# KiCad board mainboard.kicad_pcb (continued)
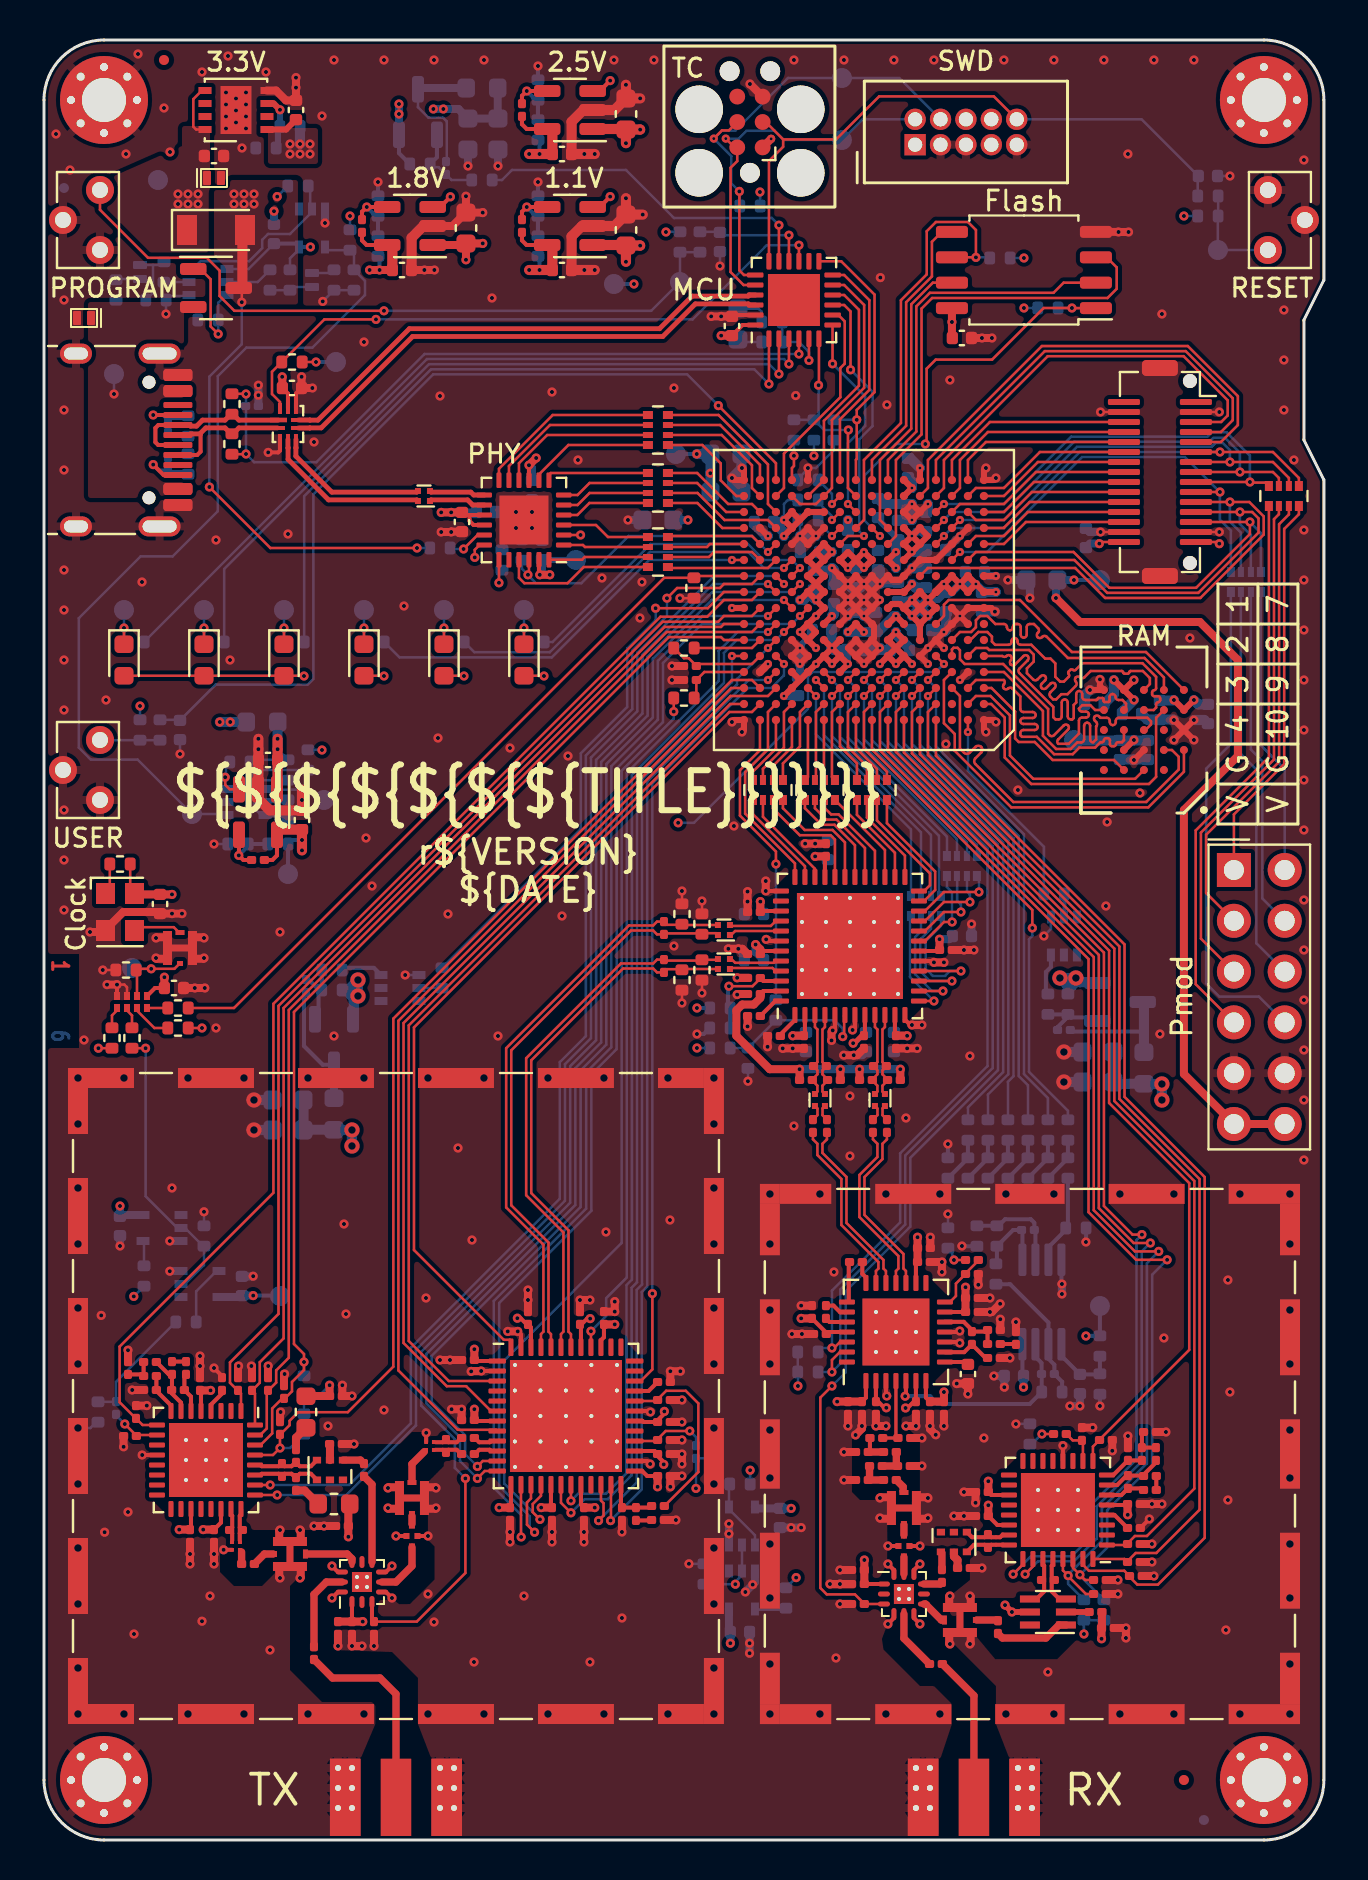
[diagram p0: board, top side]
## Placement (name value [footprint] x y rotation side) (continued)
R110  1k  [R_0402_1005Metric]  32 57.1 0 top
R111  10k  [R_0402_1005Metric]  32 59.6 180 top
R112  820  [R_0201_0603Metric]  39.5 38 0 top
R113  820  [R_0201_0603Metric]  38.1 38 180 top
R114  33k  [R_0402_1005Metric]  18.8 83.8 0 bottom
R115  DNP  [R_0402_1005Metric]  4.1 43.5 180 top
R116  5.1k  [R_0402_1005Metric]  21.9 83 0 bottom
R117  15k±1%  [R_0402_1005Metric]  9.7 49.8 180 bottom
R118  10k  [R_0402_1005Metric]  9.8 53.9 180 bottom
R119  0  [R_0402_1005Metric]  36.6 41.5 90 bottom
R120  91k±1%  [R_0402_1005Metric]  24.7 85.51 90 bottom
R121  43k±1%  [R_0402_1005Metric]  24.7 87.5 90 bottom
R122  18.7k±1%  [R_0402_1005Metric]  16.7 79.7 90 bottom
R123  15k±1%  [R_0402_1005Metric]  16.7 81.7 90 bottom
R124  18.7k±1%  [R_0402_1005Metric]  24.7 79.7 90 bottom
R125  43k±1%  [R_0402_1005Metric]  24.7 81.7 90 bottom
R126  2.2k  [R_0402_1005Metric]  13.2 54 90 bottom
R127  DNP  [R_0402_1005Metric]  8 30.2 90 bottom
R130  DNP  [R_0402_1005Metric]  33 13.3 90 bottom
R131  DNP  [R_0402_1005Metric]  32.5 62.6 270 top
R132  DNP  [R_0402_1005Metric]  45.2 30.1 90 bottom
R133  DNP  [R_0402_1005Metric]  49.3 20.3 90 bottom
R134  DNP  [R_0402_1005Metric]  2.7 21.4 270 bottom
R135  DNP  [R_0402_1005Metric]  33.5 19.3 90 bottom
RN1  33  [R_Array_Convex_4x0402]  30.7 67.6 180 top
RN2  33  [R_Array_Convex_4x0402]  30.7 70.5 180 top
RN3  33  [R_Array_Convex_4x0402]  30.7 64.4 180 top
RN4  33  [R_Array_Convex_4x0402]  62 67.2 270 top
RN5  33  [R_Array_Convex_4x0402]  60.1 62.9 270 bottom
RN6  33  [R_Array_Convex_4x0402]  44.1 46.7 270 bottom
RN7  33  [R_Array_Convex_4x0402]  45.9 48.7 270 bottom
RN8  33  [R_Array_Convex_4x0402]  41.4 52.5 270 top
RN9  33  [R_Array_Convex_4x0402]  38.8 52.5 270 top
RN10  33  [R_Array_Convex_4x0402]  36.2 52.5 270 top
SW1  BTN_PROGRAM  [SW_Tactile_SPST_Angled_TC-1109DE-B-F]  2.8 82.5 90 top
SW2  BTN_RESET  [SW_Tactile_SPST_Angled_TC-1109DE-B-F]  61.2 79.5 270 top
SW3  BTN_USER  [SW_Tactile_SPST_Angled_TC-1109DE-B-F]  2.8 55 90 top
T1  RF_BALUN  [Anaren_0805_2012Metric-6]  45.5 14.9 90 top
T2  RXIF_BALUN  [Balun_Johanson_0896BM15A0001]  50.2 11.4 180 top
T3  TXIF_BALUN  [Balun_TDK_TFSZ06052460-3310A2X]  19.3 19.7 0 top
T4  TXIF_BALUN  [Balun_TDK_TFSZ06052460-3310A2X]  9.6 14.7 90 top
T5  RF_BALUN  [Anaren_0805_2012Metric-6]  14.3 18.5 270 top
TP1  TestPoint  [TestPoint_Pad_D1.0mm]  58.7 79.5 0 bottom
TP2  TestPoint  [TestPoint_Pad_D1.0mm]  39.9 88.1 0 bottom
TP3  TestPoint  [TestPoint_Pad_D1.0mm]  39.9 85 0 bottom
TP4  TestPoint  [TestPoint_Pad_D1.0mm]  3.5 73.3 0 bottom
TP5  TestPoint  [TestPoint_Pad_D1.0mm]  5.7 83 180 bottom
TP6  TestPoint  [TestPoint_Pad_D1.0mm]  52.8 63 180 bottom
TP7  TestPoint  [TestPoint_Pad_D1.0mm]  14 52 180 bottom
TP8  TestPoint  [TestPoint_Pad_D1.0mm]  14.6 73.9 0 bottom
TP9  TestPoint  [TestPoint_Pad_D1.0mm]  31.6 69.3 0 bottom
TP10  TestPoint  [TestPoint_Pad_D1.0mm]  28.5 77.8 180 bottom
TP11  TestPoint  [TestPoint_Pad_D1.0mm]  51.5 55 180 bottom
TP12  TestPoint  [TestPoint_Pad_D1.0mm]  26.6 64 0 bottom
TP13  TestPoint  [TestPoint_Pad_D1.0mm]  52.8 26.7 180 bottom
TP14  TestPoint  [TestPoint_Pad_D1.0mm]  4 61.5 180 bottom
TP15  TestPoint  [TestPoint_Pad_D1.0mm]  8 61.5 180 bottom
TP16  TestPoint  [TestPoint_Pad_D1.0mm]  12 61.5 180 bottom
TP17  TestPoint  [TestPoint_Pad_D1.0mm]  16 61.5 180 bottom
TP18  TestPoint  [TestPoint_Pad_D1.0mm]  20 61.5 180 bottom
TP19  TestPoint  [TestPoint_Pad_D1.0mm]  24 61.5 180 bottom
TP20  TestPoint  [TestPoint_Pad_D1.0mm]  31.8 77.9 180 bottom
TP21  TestPoint  [TestPoint_Pad_D1.0mm]  12.2 48.3 90 bottom
TP22  TestPoint  [TestPoint_Pad_D1.0mm]  11.8 27.2 180 bottom
TP34  TestPoint  [TestPoint_Pad_D1.0mm]  4.4 43.6 0 bottom
TP35  TestPoint  [TestPoint_Pad_D1.0mm]  7.4 51.3 180 bottom
U1  ECP5-BGA256  [lattice_cabga256]  41 62 180 top
U2  ATSAMD11  [QFN-24-1EP_4x4mm_P0.5mm_EP2.6x2.6mm]  37.5 77 90 top
U3  PI3USB102G  [Diodes_10-TQFN_ZL]  12.2 70.8 0 top
U4  3V3REG  [DFN-8-1EP_3x3mm_P0.65mm_EP1.55x2.4mm]  9.6 86.5 180 top
U5  LDO-ADJ  [SOT-23-5]  26.3 80.7 180 top
U6  LDO-ADJ  [SOT-23-5]  26.3 86.5 180 top
U7  LDO-ADJ  [SOT-23-5]  18.3 80.7 180 top
U8  HyperRAM  [BGA-24_5x5_6.0x8.0mm]  55 55.5 180 top
U9  USB3343-CP  [VQFN-24-1EP_4x4mm_P0.5mm_EP2.45x2.45mm]  24 66 180 top
U10  W25Q16  [SOIC-8_5.23x5.23mm_P1.27mm]  49 78.5 180 top
U11  MAX5865  [QFN-48-1EP_7x7mm_P0.5mm_EP5.3x5.3mm_ThermalVias]  40.3 44.7 90 top
U12  MAX2831  [QFN-48-1EP_7x7mm_P0.5mm_EP5.6x5.6mm_ThermalVias]  26.1 21.2 0 top
U13  RFFC5072  [QFN-32-1EP_5x5mm_P0.5mm_EP3.7x3.7mm_ThermalVias]  8.1 19 270 top
U14  MAX2120  [QFN-28-1EP_5x5mm_P0.5mm_EP3.35x3.35mm_ThermalVias]  42.6 25.4 90 top
U15  LMV358  [MSOP-8_3x3mm_P0.65mm]  49.9 26.9 270 bottom
U16  DPDT  [QFN-12-1EP_2x2mm_P0.5mm_EP1x1mm_ThermalVias]  43 12.3 0 top
U17  DPDT  [QFN-12-1EP_2x2mm_P0.5mm_EP1x1mm_ThermalVias]  15.9 12.9 90 top
U18  RFFC5072  [QFN-32-1EP_5x5mm_P0.5mm_EP3.7x3.7mm_ThermalVias]  50.7 16.5 180 top
U19  74LVC1G06  [SOT-353_SC-70-5]  13.4 80.6 270 bottom
U20  74LVC1G80  [SOT-353_SC-70-5]  34.9 15.7 90 bottom
U21  FANOUT  [Nexperia_XSON-8_1.95x1mm_P0.5mm]  4.4 41.9 270 top
U22  74AHC1G14  [SOT-353_SC-70-5]  5.9 30.6 180 bottom
U23  74AHC1G14  [SOT-353_SC-70-5]  34.9 12.5 270 bottom
U24  LDO-ADJ  [SOT-23-5]  10.7 51.4 270 top
U25  74AHC1G14  [SOT-353_SC-70-5]  7.8 27.8 0 bottom
Y1  TCXO  [Oscillator_SMD_Kyocera_KC2520Z-4Pin_2.5x2.0mm]  3.8 46.4 0 top

## Library data of the parts
C1 C3 C13 C15 C16 C21 C22 C25-C32 C35 C36 C39 C40 C45-C49 C52-C54 C56 C62 C104 C106 C158-C161 C192 C196 C200 C201 = -: Description: Unpolarized capacitor; Manufacturer: Samsung; Part Number: CL05A105KP5NNNC; Substitution: any equivalent
C2 C8 C9 C19 C20 C33 C37 C38 C151 C152 C156 C157 C198 C199 = -: Description: Unpolarized capacitor; Manufacturer: Samsung; Part Number: CL10A106KP8NNNC; Substitution: any equivalent
C4 C10-C12 C14 C17 C18 C23 C24 C41-C44 C50 C51 C55 C96 = -: Description: Unpolarized capacitor; Manufacturer: Samsung; Part Number: CL05A104KA5NNNC; Substitution: any equivalent
C5 C58 C59 C94 C163 C164 C166-C172 C185 = -: Description: Unpolarized capacitor; Manufacturer: Murata; Part Number: GRM033R71E102KA01D; Substitution: GRM033R71E102KA01*
C6 C7 C57 C95 C122 C125 C143 C145 = -: Description: Unpolarized capacitor; Manufacturer: Murata; Part Number: GRM0335C1E331JA01D; Substitution: GRM0335C1E331JA01*
C34 C66 C69 C73 C75 C77 C79 C82 C162 = -: Description: Unpolarized capacitor; Manufacturer: Murata; Part Number: GRM155R61A225KE95D; Substitution: GRM155R61A225*
C60 C61 C64 C65 C116-C121 C124 C136-C141 C144 C148 = -: Description: Unpolarized capacitor; Manufacturer: Samsung; Part Number: CL03C330JA3NNNC
C63 C67 C68 C70-C72 C74 C76 C78 C80 C81 C83 C93 C114 C128-C130 C132-C135 C153 C154 C165 C173-C184 C186-C191 C193-C195 = -: Description: Unpolarized capacitor; Manufacturer: Murata; Part Number: GRM033R61A105ME44D; Substitution: GRM033R61A105ME44*, GRM033R61C105ME15*, Samsung CL03A105MO3NRN*
C84 C85 = -: Description: Unpolarized capacitor; Manufacturer: Murata; Part Number: GRM0335C1H1R5CA01D; Substitution: GRM0335C1H1R5CA01*
C86 C90 = -: Description: Unpolarized capacitor; Manufacturer: Murata; Part Number: GRM0335C1H680JA01D; Substitution: GRM0335C1H680JA01*
C87 C88 C99 C105 C107 C112 C115 C123 C131 C142 = -: Description: Unpolarized capacitor; Manufacturer: Samsung; Part Number: CL03C101JA3NNNC
C89 C97 C113 C149 = -: Description: Unpolarized capacitor; Manufacturer: Murata; Part Number: GRM033R71A222KA01D; Substitution: GRM033R71A222KA01*
C91 C92 C100-C103 = -: Description: Unpolarized capacitor; Manufacturer: Murata; Part Number: GRM033R60J473KE19D; Substitution: GRM033R60J473KE19*
C98 = -: Description: Unpolarized capacitor; Manufacturer: Murata; Part Number: GRM033R61A333KE84D; Substitution: GRM033R61A333KE84*
C108 = -: Description: Unpolarized capacitor; Manufacturer: Murata; Part Number: GRM0335C1H2R0BA01D; Substitution: GRM0335C1H2R0BA01*
C109 = -: Description: Unpolarized capacitor; Manufacturer: Murata; Part Number: GRM0335C1H2R2BA01D; Substitution: GRM0335C1H2R2BA01*
C110 = -: Description: Unpolarized capacitor; Manufacturer: Murata; Part Number: GRM0335C1H2R7BA01D; Substitution: GRM0335C1H2R7BA01*
C111 = -: Description: Unpolarized capacitor; Manufacturer: Murata; Part Number: GRM0335C1H6R2BA01D; Substitution: GRM0335C1H6R2BA01*
C126 C146 = -: Description: Unpolarized capacitor; Manufacturer: Murata; Part Number: GRM0335C1H8R2BA01D; Substitution: GRM0335C1H8R2BA01*
C127 C147 = -: Description: Unpolarized capacitor; Manufacturer: Murata; Part Number: GRM0335C1H181JA01D; Substitution: GRM0335C1H181JA01*
C150 C155 C197 = -: Description: Unpolarized capacitor; Manufacturer: Murata; Part Number: GRM033R61A104KE15D; Substitution: GRM033R61A104KE15*
D1 = -: Description: Light emitting diode; Manufacturer: OptoSupply; Part Number: OSR50603C1E
D2 = -: Description: Light emitting diode; Manufacturer: EKINGLUX; Part Number: E6C0603SEAC1UDA
D3 = -: Description: Light emitting diode; Manufacturer: EKINGLUX; Part Number: E6C0603UYAC1UDA
D4 = -: Description: Light emitting diode; Manufacturer: Orient; Part Number: ORH-G36G
D5 = -: Description: Light emitting diode; Manufacturer: Orient; Part Number: ORH-B36G
D6 = -: Description: Light emitting diode; Manufacturer: OptoSupply; Part Number: OSVX0603C1E
D7 = -: Description: Zener diode; Manufacturer: Nexperia; Part Number: PESD36VS1UL,315
D8 = -: Description: Diode; Manufacturer: Yangzhou Yangjie; Part Number: U1D
D9 = -: Description: Zener diode; Manufacturer: Nexperia; Part Number: BZX884-B6V2,315
D10 = -: Description: Zener diode; Manufacturer: Nexperia; Part Number: BZX884-B5V6,315
D11 = -: Description: Zener diode; Manufacturer: Nexperia; Part Number: BZX884-B3V0,315
FB1-FB4 = -: Description: Ferrite bead; Manufacturer: TAI-TECH; Part Number: HCB1608KF-102T10; Substitution: Murata BLM18KG102SN1*
FID1-FID4 = -: Description: Fiducial Marker
FL1 FL4-FL7 = -: Description: EMI 2-inductor common mode filter; Manufacturer: Murata; Part Number: DLM0NSB280HY2D
FL2 FL3 = -: Description: 80MHz 50 Ohm Passive Low Pass Filter, FV1206; Manufacturer: Yageo; Part Number: LPF1005LL50R2400A
H1-H4 = -: Description: Mounting Hole with connection
J1 = -: Description: USB 2.0-only Type-C Receptacle connector; Manufacturer: DEALON; Part Number: USB-TYPE-C-019; Substitution: Yuandi TYPE-611A-T3
J2 = -: Description: Cortex Debug Connector, standard ARM Cortex-M SWD and JTAG interface; Manufacturer: Samtec; Part Number: FTSH-105-01-F-D-K
J3 = -: Description: Generic connector, double row, 02x03, odd/even pin numbering scheme (row 1 odd numbers, row 2 even numbers), script generated (kicad-library-utils/schlib/autogen/connector/); Manufacturer: Tag-Connect; Part Number: TC2030-CTX; Substitution: TC2030-IDC
J4 = -: Description: Generic connector, double row, 02x06, top/bottom pin numbering scheme (row 1: 1...pins_per_row, row2: pins_per_row+1 ... num_pins), script generated (kicad-library-utils/schlib/autogen/connector/); Manufacturer: DEALON; Part Number: DW254W-22-12-85; Substitution: HCTL PM254-2-06-W-8.5, Sullins PPPC062LJBN-RC
J5 J9-J12 = -: Description: two-way SWH coaxial connector; Manufacturer: Murata; Part Number: MM8930-2620RJ4; Substitution: MM8930-2620RK15
J6 = -: Description: Generic connectable mounting pin connector, double row, 02x15, counter clockwise pin numbering scheme (similar to DIP package numbering), script generated (kicad-library-utils/schlib/autogen/connector/); Manufacturer: Amphenol; Part Number: 10132798-031100LF
J7 J8 = -: Description: coaxial connector (BNC, SMA, SMB, SMC, Cinch/RCA, LEMO, ...); Manufacturer: TE Connectivity Linx; Part Number: CONSMA003.062
J13 = -: Description: One-piece EMI RF shielding cabinet; Manufacturer: Laird; Part Number: BMI-S-204-F
J14 = -: Description: One-piece EMI RF shielding cabinet; Manufacturer: Laird; Part Number: BMI-S-203-F
L1 L7 L10 = -: Description: Inductor
L2 = -: Description: Inductor; Manufacturer: Murata; Part Number: LQP03HQ9N1H02D
L3 = -: Description: Inductor; Manufacturer: Murata; Part Number: LQP03HQ5N6H02D
L4 = -: Description: Inductor; Manufacturer: Murata; Part Number: LQP03HQ6N2H02D
L5 = -: Description: Inductor; Manufacturer: Murata; Part Number: LQP03HQ7N5H02D
L6 L9 = -: Description: Inductor, small symbol
L8 = -: Description: Inductor; Manufacturer: Murata; Part Number: LQP03TGR10J02D
L11 L13 = -: Description: Inductor; Manufacturer: Murata; Part Number: LQP03TN33NJ02D
L12 L14 = -: Description: Inductor; Manufacturer: Taiyo Yuden; Part Number: LSQNB160808T470M; Substitution: LSQNB160808T470K
Q1 Q3 Q5 Q8 = -: Description: P-MOSFET transistor, gate/source/drain; Manufacturer: Yangzhou Yangjie; Part Number: YJL3401A; Substitution: Alpha & Omega AO3401A
Q2 = -: Description: Dual PNP transistor, 6 pin package; Manufacturer: Yangzhou Yangjie; Part Number: BC857BS
Q4 Q6 Q7 = -: Description: 100mA IC, 45V Vce, Dual NPN/NPN Transistors, SOT-363; Manufacturer: Yangzhou Yangjie; Part Number: BC847BS
R1 R115 R127 R130-R135 = -: Description: Resistor
R2 R4 R20 R32 R92 R93 = -: Description: Resistor; Manufacturer: Panasonic; Part Number: ERJ-2RKF8061X; Substitution: any equivalent
R3 R7 R8 = -: Description: Resistor; Manufacturer: Yageo; Part Number: RC0402JR-07820KL; Substitution: any equivalent
R5 R6 R18 R21 R22 R27 R80 R81 R86 R87 R108 R111 R118 = -: Description: Resistor; Manufacturer: Yageo; Part Number: RC0402JR-0710KL; Substitution: any equivalent
R9 R10 R37 R38 R40 R43 R50-R53 R100 R102 R116 = -: Description: Resistor; Manufacturer: Yageo; Part Number: RC0402JR-075K1L; Substitution: any equivalent
R11 R15 R17 R33 R48 R64 R66 R68 R70 R72 R75 R76 R79 R122 R124 = -: Description: Resistor; Manufacturer: Panasonic; Part Number: ERJ-2RKF1872X; Substitution: any equivalent
R12-R14 R23 R95 R97 R98 R114 = -: Description: Resistor; Manufacturer: Panasonic; Part Number: ERJ-2GEJ333X; Substitution: any equivalent
R16 = -: Description: Resistor; Manufacturer: Yageo; Part Number: RC0402FR-0757K6L; Substitution: any equivalent
R19 = -: Description: Resistor; Manufacturer: Yageo; Part Number: RC0402JR-0720KL; Substitution: any equivalent
R24-R26 R110 = -: Description: Resistor; Manufacturer: Yageo; Part Number: RC0402JR-071KL; Substitution: any equivalent
R28 R29 R42 R44 R60 R61 R99 R101 R107 R126 = -: Description: Resistor; Manufacturer: Yageo; Part Number: RC0402JR-072K2L; Substitution: any equivalent
R30 R39 R41 = -: Description: Resistor; Manufacturer: Yageo; Part Number: RC0402FR-13330RL; Substitution: any equivalent
R31 = -: Description: Resistor; Manufacturer: Yageo; Part Number: RC0402FR-07510RL; Substitution: any equivalent
R34-R36 R45 R103-R106 = -: Description: Resistor; Manufacturer: Yageo; Part Number: RC0402JR-07100RL; Substitution: any equivalent
R46 R47 R49 R65 R67 R69 R71 R73 R78 = -: Description: Resistor; Manufacturer: Yageo; Part Number: RC0402FR-0737K4L; Substitution: any equivalent
R54 = -: Description: Resistor; Manufacturer: Yageo; Part Number: RC0402FR-0710K7L; Substitution: any equivalent
R55 = -: Description: Resistor; Manufacturer: Yageo; Part Number: RC0402FR-074K22L; Substitution: any equivalent
R56 R57 R63 R112 R113 = -: Description: Resistor; Manufacturer: Yageo; Part Number: RC0201JR-07820RL; Substitution: any equivalent
R58 = -: Description: Resistor; Manufacturer: Yageo; Part Number: RC0201JR-071K2L; Substitution: any equivalent
R59 = -: Description: Resistor; Manufacturer: Yageo; Part Number: RC0201JR-07750RL; Substitution: any equivalent
R62 = -: Description: Resistor; Manufacturer: Yageo; Part Number: RC0201JR-07390RL; Substitution: any equivalent
R74 R77 = -: Description: Resistor; Manufacturer: Yageo; Part Number: RC0402FR-0754K9L; Substitution: any equivalent
R82 R88 = -: Description: Resistor; Manufacturer: Yageo; Part Number: RC0201FR-0751KL; Substitution: any equivalent
R83 R84 R89 R90 = -: Description: Resistor; Manufacturer: Yageo; Part Number: RC0201JR-07470RL; Substitution: any equivalent
R85 R91 = -: Description: Resistor; Manufacturer: Yageo; Part Number: RC0201JR-0722KL; Substitution: any equivalent
R94 R96 R119 = -: Description: Resistor; Manufacturer: Yageo; Part Number: RC0402FR-070RL; Substitution: any equivalent
R109 = -: Description: Resistor; Manufacturer: Yageo; Part Number: RC0402FR-0747KL; Substitution: any equivalent
R117 R123 = -: Description: Resistor; Manufacturer: Yageo; Part Number: RC0402FR-0715KL; Substitution: any equivalent
R120 = -: Description: Resistor; Manufacturer: Yageo; Part Number: RC0402FR-0791KL; Substitution: any equivalent
R121 R125 = -: Description: Resistor; Manufacturer: Yageo; Part Number: RC0402FR-0743KL; Substitution: any equivalent
RN1-RN10 = -: Description: 4 resistor network, parallel topology; Manufacturer: Yageo; Part Number: YC124-JR-0733RL; Substitution: any equivalent
SW1-SW3 = -: Description: Single Pole Single Throw (SPST) switch with shield; Manufacturer: XKB; Part Number: TC-1109DE-B-F; Substitution: DEALON TC-1150DL-6.0H-160
T1 T5 = -: Description: Ultra Low Profile 0805 Balun 50Ω to 100Ω Balanced; Manufacturer: TTM Technologies; Part Number: B0310J50100AHF
T2 = -: Description: 625 - 2815MHz Wideband Balun, 1:2 Impedance Ratio, EIA 0805; Manufacturer: Johanson Technology; Part Number: 1720BL15A0100001E; Substitution: 1720BL15A0100, 1720BL15A0100E
T3 T4 = -: Description: Thin-Film Balun for 2300-2690 MHz; Manufacturer: TDK; Part Number: TFSZ06052460-3310A2X
TP1-TP22 TP34 TP35 = -: Description: test point
U1 = -: Description: FPGA - Field Programmable Gate Array ECP5; 12k LUTs; 1.1V; Manufacturer: Lattice; Part Number: LFE5U-12F-6BG256C; Substitution: LFE5U-12F-*BG256*, LFE5U-25F-*BG256*
U2 = -: Description: ARM Cortex-M0+ MCU, 48MHz, 16KB Flash, 4KB RAM, 1.6-3.6V, 22 GPIO, QFN-24; Manufacturer: Microchip; Part Number: ATSAMD11D14A-MUT; Substitution: ATSAMD11D14A-MNT
U3 = -: Description: USB 2.0 SPDT switch; Manufacturer: Diodes Inc.; Part Number: PI3USB102GZLEX
U4 = -: Description: low dropout regulator; Manufacturer: Diodes Inc.; Part Number: AP7361EA-33FGE-7; Substitution: AP7361C-33FGE-7
U5-U7 U24 = -: Description: 300mA low dropout adjustable linear regulator, shutdown pin, 2.5V-6V input voltage, SOT-23-5 package; Manufacturer: Diodes Inc.; Part Number: AP2127K-ADJTRG1
U8 = -: Description: IC DRAM 64MBIT HYPERBUS 24TFBGA; Manufacturer: Winbond; Part Number: W956D8MBYA5I TR; Substitution: W958D8NWSX4I, W958D8NWSX5I, W958D8NBYA5I, Infineon S27KS0642GABH*02*
U9 = -: Description: ULPI USB Transciever (PHY); Manufacturer: Microchip
U10 = -: Description: 32Mb Serial Flash Memory, Standard/Dual/Quad SPI, SOIC-8; Manufacturer: Winbond; Part Number: W25Q16JVSSIQ
U11 = -: Description: 40 Msps Analog Front End; Manufacturer: Analog Devices; Part Number: MAX5865ETM+T; Substitution: MAX5865ETM+
U12 = -: Description: 2.4 GHz to 2.5 GHz 802.11g/b RF Transceiver with Integrated PA; Manufacturer: Analog Devices; Part Number: MAX2831ETM+T; Substitution: MAX2831ETM+, MAX2830ETM+T, MAX2830ETM+
U13 U18 = -: Description: wideband synthesizer/VCO with integrated 6 GHz mixer; Manufacturer: Qorvo; Part Number: RFFC5072TR13; Substitution: RFFC5072*
U14 = -: Description: Complete, Direct-Conversion Tuner for DVB-S and Free-to-Air Applications; Manufacturer: Analog Devices; Part Number: MAX2120CTI+T; Substitution: MAX2120CTI+
U15 = -: Description: Dual Low-Voltage Rail-to-Rail Output Operational Amplifiers, SOIC-8/SSOP-8; Manufacturer: HANSCHIP; Part Number: LMV358IDGKRG; Substitution: TI LMV358AIDGKR
U16 U17 = -: Description: X-DPDT Switch for 0.4-3.8G Application; Manufacturer: Maxscend; Part Number: MXD8546FA
U19 = -: Description: Single NOT Gate w/ Open Drain, Low-Voltage CMOS; Manufacturer: Nexperia; Part Number: 74LVC1G06GW,125
U20 = -: Description: Single D Flip-Flop Iverted Output, Low-Voltage CMOS; Manufacturer: Texas Instruments; Part Number: SN74LVC1G80DCKR
U21 = -: Description: 1-to-4 fan-out buffer; Manufacturer: Nexperia; Part Number: 74AVC9112GTX
U22 U23 U25 = -: Description: Single NOT Gate w/ Open Drain, Low-Voltage CMOS; Manufacturer: Diodes Inc.; Part Number: 74AHC1G14SE-7
Y1 = -: Description: Crystal Oscillator Low Profile / High Stability SPXO; Manufacturer: Raltron; Part Number: RTXE-2520ED333-C-40.000-TR

## Footprints (pads in the part's own frame, mm; a bottom-side part is the same pattern mirrored in y, then rotated)
Amphenol_10132798-03
  round 0.7 hole 0.7 unplated: (-4.55,1.5) (4.55,1.5)
  rrect 0.3x1.6 smd: 1(-3.5,1.8) 2(-3,1.8) 3(-2.5,1.8) 4(-2,1.8) 5(-1.5,1.8) 6(-1,1.8) 7(-0.5,1.8) 8(0,1.8) 9(0.5,1.8) 10(1,1.8) 11(1.5,1.8) 12(2,1.8) 13(2.5,1.8) 14(3,1.8) 15(3.5,1.8) 16(3.5,-1.8) 17(3,-1.8) 18(2.5,-1.8) 19(2,-1.8) 20(1.5,-1.8) 21(1,-1.8) 22(0.5,-1.8) 23(0,-1.8) 24(-0.5,-1.8) 25(-1,-1.8) 26(-1.5,-1.8) 27(-2,-1.8) 28(-2.5,-1.8) 29(-3,-1.8) 30(-3.5,-1.8)
  rrect 0.8x1.8 smd: MP(-5.2,0) MP(5.2,0)
Anaren_0805_2012Metric-6
  rect 0.33x0.41 smd: 1(-0.495,0.65) 2(-0.495,0) 3(-0.495,-0.65) 4(0.495,-0.65) 5(0.495,0) 6(0.495,0.65)
Balun_Johanson_0896BM15A0001
  rect 1x0.35 smd: 1(-0.9,0.65) 2(-0.9,0) 3(-0.9,-0.65) 4(0.9,-0.65) 5(0.9,0) 6(0.9,0.65)
Balun_TDK_TFSZ06052460-3310A2X
  rect 0.18x0.2 smd: 1(-0.19,0.2) 2(-0.19,-0.2) 3(0.19,-0.2) 4(0.19,0.2)
BGA-24_5x5_6.0x8.0mm
  round 0.4 smd: A2(-1,2) A3(0,2) A4(1,2) A5(2,2) B1(-2,1) B2(-1,1) B3(0,1) B4(1,1) B5(2,1) C1(-2,0) C2(-1,0) C3(0,0) C4(1,0) C5(2,0) D1(-2,-1) D2(-1,-1) D3(0,-1) D4(1,-1) D5(2,-1) E1(-2,-2) E2(-1,-2) E3(0,-2) E4(1,-2) E5(2,-2)
C_0201_0603Metric
  rrect 0.318x0.36 smd: (-0.345,0) (0.345,0)
  rrect 0.46x0.4 smd: 1(-0.32,0) 2(0.32,0)
C_0402_1005Metric
  rrect 0.56x0.62 smd: 1(-0.48,0) 2(0.48,0)
C_0603_1608Metric
  rrect 0.9x0.95 smd: 1(-0.775,0) 2(0.775,0)
D_SOD-123FL
  rect 1x1.5 smd: 1(-1.45,0) 2(1.45,0)
DFN1006-2
  rrect 0.4x0.7 smd: 1(-0.35,0) 2(0.35,0)
DFN-8-1EP_3x3mm_P0.65mm_EP1.55x2.4mm
  rect 0.6x1 smd: (-0.388,0.6) (-0.388,-0.6) (0.388,0.6) (0.388,-0.6)
  rect 0.65x0.35 smd: 1(-1.55,0.975) 2(-1.55,0.325) 3(-1.55,-0.325) 4(-1.55,-0.975) 5(1.55,-0.975) 6(1.55,-0.325) 7(1.55,0.325) 8(1.55,0.975)
  rect 1.55x2.4 smd: 9(0,0)
Diodes_10-TQFN_ZL
  rect 0.85x0.225 smd: 1(-0.475,0.2)
  rect 0.75x0.2 smd: 2(-0.525,-0.2) 6(0.525,-0.2) 7(0.525,0.2)
  rect 0.2x0.55 smd: 3(-0.4,-0.775) 4(0,-0.775) 5(0.4,-0.775) 8(0.4,0.775) 9(0,0.775) 10(-0.4,0.775)
Fiducial_0.5mm_Mask1mm
  round 0.5 smd: (0,0)
Filter_Pulse_LPF1005LL50R2400A_1.5x0.5mm
  rect 0.3x0.3 smd: 1(0,0.523) 2(-0.275,0) 3(0,-0.523) 4(0.275,0)
L_0201_0603Metric
  rrect 0.318x0.36 smd: (-0.345,0) (0.345,0)
  rrect 0.46x0.4 smd: 1(-0.32,0) 2(0.32,0)
L_0603_1608Metric
  rrect 0.875x0.95 smd: 1(-0.787,0) 2(0.787,0)
L_CommonModeChoke_Murata_DLM0NS
  rrect 0.3x0.3 smd: 1(-0.3,0.25) 2(0.3,0.25) 3(-0.3,-0.25) 4(0.3,-0.25)
Laird_Technologies_BMI-S-203-F_26.21x26.21mm
  rect 1x1 smd: 1(-13.005,13.005) 1(-13.005,-13.005) 1(13.005,13.005) 1(13.005,-13.005)
  rect 1x2.57 smd: 1(-13.005,11.22) 1(-13.005,-11.22) 1(13.005,11.22) 1(13.005,-11.22)
  rect 1x3.8 smd: 1(-13.005,5.835) 1(-13.005,-5.835) 1(13.005,5.835) 1(13.005,-5.835)
  rect 1x3.47 smd: 1(-13.005,0) 1(13.005,0)
  rect 2.57x1 smd: 1(-11.22,13.005) 1(-11.22,-13.005) 1(11.22,13.005) 1(11.22,-13.005)
  rect 3.8x1 smd: 1(-5.835,13.005) 1(-5.835,-13.005) 1(5.835,13.005) 1(5.835,-13.005)
  rect 3.47x1 smd: 1(0,13.005) 1(0,-13.005)
Laird_Technologies_BMI-S-204-F_32.00x32.00mm
  rect 1x1 smd: 1(-15.9,15.9) 1(-15.9,-15.9) 1(15.9,15.9) 1(15.9,-15.9)
  rect 1x2.3 smd: 1(-15.9,14.25) 1(-15.9,-14.25) 1(15.9,14.25) 1(15.9,-14.25)
  rect 1x3.8 smd: 1(-15.9,9) 1(-15.9,3) 1(-15.9,-3) 1(-15.9,-9) 1(15.9,9) 1(15.9,3) 1(15.9,-3) 1(15.9,-9)
  rect 2.3x1 smd: 1(-14.25,15.9) 1(-14.25,-15.9) 1(14.25,15.9) 1(14.25,-15.9)
  rect 3.8x1 smd: 1(-9,15.9) 1(-9,-15.9) 1(-3,15.9) 1(-3,-15.9) 1(3,15.9) 1(3,-15.9) 1(9,15.9) 1(9,-15.9)
lattice_cabga256
  round 0.41 smd: A1(-6,6) A2(-5.2,6) A3(-4.4,6) A4(-3.6,6) A5(-2.8,6) A6(-2,6) A7(-1.2,6) A8(-0.4,6) A9(0.4,6) A10(1.2,6) A11(2,6) A12(2.8,6) A13(3.6,6) A14(4.4,6) A15(5.2,6) A16(6,6) B1(-6,5.2) B2(-5.2,5.2) B3(-4.4,5.2) B4(-3.6,5.2) B5(-2.8,5.2) B6(-2,5.2) B7(-1.2,5.2) B8(-0.4,5.2) B9(0.4,5.2) B10(1.2,5.2) B11(2,5.2) B12(2.8,5.2) B13(3.6,5.2) B14(4.4,5.2) B15(5.2,5.2) B16(6,5.2) C1(-6,4.4) C2(-5.2,4.4) C3(-4.4,4.4) C4(-3.6,4.4) C5(-2.8,4.4) C6(-2,4.4) C7(-1.2,4.4) C8(-0.4,4.4) C9(0.4,4.4) C10(1.2,4.4) C11(2,4.4) C12(2.8,4.4) C13(3.6,4.4) C14(4.4,4.4) C15(5.2,4.4) C16(6,4.4) D1(-6,3.6) D2(-5.2,3.6) D3(-4.4,3.6) D4(-3.6,3.6) D5(-2.8,3.6) D6(-2,3.6) D7(-1.2,3.6) D8(-0.4,3.6) D9(0.4,3.6) D10(1.2,3.6) D11(2,3.6) D12(2.8,3.6) D13(3.6,3.6) D14(4.4,3.6) D15(5.2,3.6) D16(6,3.6) E1(-6,2.8) E2(-5.2,2.8) E3(-4.4,2.8) E4(-3.6,2.8) E5(-2.8,2.8) E6(-2,2.8) E7(-1.2,2.8) E8(-0.4,2.8) E9(0.4,2.8) E10(1.2,2.8) E11(2,2.8) E12(2.8,2.8) E13(3.6,2.8) E14(4.4,2.8) E15(5.2,2.8) E16(6,2.8) F1(-6,2) F2(-5.2,2) F3(-4.4,2) F4(-3.6,2) F5(-2.8,2) F6(-2,2) F7(-1.2,2) F8(-0.4,2) F9(0.4,2) F10(1.2,2) F11(2,2) F12(2.8,2) F13(3.6,2) F14(4.4,2) F15(5.2,2) F16(6,2) G1(-6,1.2) G2(-5.2,1.2) G3(-4.4,1.2) G4(-3.6,1.2) G5(-2.8,1.2) G6(-2,1.2) G7(-1.2,1.2) G8(-0.4,1.2) G9(0.4,1.2) G10(1.2,1.2) G11(2,1.2) G12(2.8,1.2) G13(3.6,1.2) G14(4.4,1.2) G15(5.2,1.2) G16(6,1.2) H1(-6,0.4) H2(-5.2,0.4) H3(-4.4,0.4) H4(-3.6,0.4) H5(-2.8,0.4) H6(-2,0.4) H7(-1.2,0.4) H8(-0.4,0.4) H9(0.4,0.4) H10(1.2,0.4) H11(2,0.4) H12(2.8,0.4) H13(3.6,0.4) H14(4.4,0.4) H15(5.2,0.4) H16(6,0.4) J1(-6,-0.4) J2(-5.2,-0.4) J3(-4.4,-0.4) J4(-3.6,-0.4) J5(-2.8,-0.4) J6(-2,-0.4) J7(-1.2,-0.4) J8(-0.4,-0.4) J9(0.4,-0.4) J10(1.2,-0.4) J11(2,-0.4) J12(2.8,-0.4) J13(3.6,-0.4) J14(4.4,-0.4) J15(5.2,-0.4) J16(6,-0.4) K1(-6,-1.2) K2(-5.2,-1.2) K3(-4.4,-1.2) K4(-3.6,-1.2) K5(-2.8,-1.2) K6(-2,-1.2) K7(-1.2,-1.2) K8(-0.4,-1.2) K9(0.4,-1.2) K10(1.2,-1.2) K11(2,-1.2) K12(2.8,-1.2) K13(3.6,-1.2) K14(4.4,-1.2) K15(5.2,-1.2) K16(6,-1.2) L1(-6,-2) L2(-5.2,-2) L3(-4.4,-2) L4(-3.6,-2) L5(-2.8,-2) L6(-2,-2) L7(-1.2,-2) L8(-0.4,-2) L9(0.4,-2) L10(1.2,-2) L11(2,-2) L12(2.8,-2) L13(3.6,-2) L14(4.4,-2) L15(5.2,-2) L16(6,-2) M1(-6,-2.8) M2(-5.2,-2.8) M3(-4.4,-2.8) M4(-3.6,-2.8) M5(-2.8,-2.8) M6(-2,-2.8) M7(-1.2,-2.8) M8(-0.4,-2.8) M9(0.4,-2.8) M10(1.2,-2.8) M11(2,-2.8) M12(2.8,-2.8) M13(3.6,-2.8) M14(4.4,-2.8) M15(5.2,-2.8) M16(6,-2.8) N1(-6,-3.6) N2(-5.2,-3.6) N3(-4.4,-3.6) N4(-3.6,-3.6) N5(-2.8,-3.6) N6(-2,-3.6) N7(-1.2,-3.6) N8(-0.4,-3.6) N9(0.4,-3.6) N10(1.2,-3.6) N11(2,-3.6) N12(2.8,-3.6) N13(3.6,-3.6) N14(4.4,-3.6) N15(5.2,-3.6) N16(6,-3.6) P1(-6,-4.4) P2(-5.2,-4.4) P3(-4.4,-4.4) P4(-3.6,-4.4) P5(-2.8,-4.4) P6(-2,-4.4) P7(-1.2,-4.4) P8(-0.4,-4.4) P9(0.4,-4.4) P10(1.2,-4.4) P11(2,-4.4) P12(2.8,-4.4) P13(3.6,-4.4) P14(4.4,-4.4) P15(5.2,-4.4) P16(6,-4.4) R1(-6,-5.2) R2(-5.2,-5.2) R3(-4.4,-5.2) R4(-3.6,-5.2) R5(-2.8,-5.2) R6(-2,-5.2) R7(-1.2,-5.2) R8(-0.4,-5.2) R9(0.4,-5.2) R10(1.2,-5.2) R11(2,-5.2) R12(2.8,-5.2) R13(3.6,-5.2) R14(4.4,-5.2) R15(5.2,-5.2) R16(6,-5.2) T1(-6,-6) T2(-5.2,-6) T3(-4.4,-6) T4(-3.6,-6) T5(-2.8,-6) T6(-2,-6) T7(-1.2,-6) T8(-0.4,-6) T9(0.4,-6) T10(1.2,-6) T11(2,-6) T12(2.8,-6) T13(3.6,-6) T14(4.4,-6) T15(5.2,-6) T16(6,-6)
LED_0603_1608Metric
  rrect 0.875x0.95 smd: 1(-0.787,0) 2(0.787,0)
Linx_SMA_CONSMA003.062
  rect 3.864x1.524 smd: 1(2.132,0) 2(2.132,2.54) 2(2.132,2.54) 2(2.132,-2.54) 2(2.132,-2.54)
  round 0.762 hole 0.305: 2(1.6,2.9) 2(1.6,2.2) 2(1.6,-2.2) 2(1.6,-2.9) 2(2.6,2.9) 2(2.6,2.2) 2(2.6,-2.2) 2(2.6,-2.9) 2(3.6,2.9) 2(3.6,2.2) 2(3.6,-2.2) 2(3.6,-2.9)
MountingHole_2.2mm_M2_Pad_Via
  round 0.7 hole 0.4: 1(-1.65,0) 1(-1.167,1.167) 1(-1.167,-1.167) 1(0,1.65) 1(0,-1.65) 1(1.167,1.167) 1(1.167,-1.167) 1(1.65,0)
  round 4.4 hole 2.2: 1(0,0)
MSOP-8_3x3mm_P0.65mm
  rrect 1.625x0.4 smd: 1(-2.112,0.975) 2(-2.112,0.325) 3(-2.112,-0.325) 4(-2.112,-0.975) 5(2.112,-0.975) 6(2.112,-0.325) 7(2.112,0.325) 8(2.112,0.975)
Murata_SWH_MM8930-26xx
  rect 0.45x0.25 smd: 1(0,0.775)
  rect 0.3x0.25 smd: 2(0,-0.775)
  rect 0.45x0.625 smd: 3(-0.625,0.537) 3(-0.625,0) 3(-0.625,-0.537) 3(0.625,0.537) 3(0.625,0) 3(0.625,-0.537)
  rect 1x0.35 smd: 3(0,0)
Nexperia_XSON-8_1.95x1mm_P0.5mm
  rect 0.4x0.3 smd: 1(-0.3,0.75) 2(-0.3,0.25) 3(-0.3,-0.25) 4(-0.3,-0.75) 5(0.3,-0.75) 6(0.3,-0.25) 7(0.3,0.25) 8(0.3,0.75)
Oscillator_SMD_Kyocera_KC2520Z-4Pin_2.5x2.0mm
  rect 0.95x1.05 smd: 1(-0.725,0.925) 2(-0.725,-0.925) 3(0.725,-0.925) 4(0.725,0.925)
PinSocket_2x06_P2.54mm_PMOD
  rect 1.7x1.7 hole 1: 1(0,0)
  oval 1.7x1.7 hole 1: 2(0,2.54) 3(0,5.08) 4(0,7.62) 5(0,10.16) 6(0,12.7) 7(-2.54,0) 8(-2.54,2.54) 9(-2.54,5.08) 10(-2.54,7.62) 11(-2.54,10.16) 12(-2.54,12.7)
QFN-12-1EP_2x2mm_P0.5mm_EP1x1mm_ThermalVias
  oval 0.6x0.25 smd: 1(-1,0.5) 2(-1,0) 3(-1,-0.5) 7(1,-0.5) 8(1,0) 9(1,0.5)
  oval 0.25x0.6 smd: 4(-0.5,-1) 5(0,-1) 6(0.5,-1) 10(0.5,1) 11(0,1) 12(-0.5,1)
  round 0.5 hole 0.2: 13(-0.25,0.25) 13(-0.25,-0.25) 13(0.25,0.25) 13(0.25,-0.25)
  rect 1x1 smd: 13(0,0)
  rect 1x1 smd far side: 13(0,0)
QFN-24-1EP_4x4mm_P0.5mm_EP2.6x2.6mm
  rrect 1.05x1.05 smd: (-0.65,0.65) (-0.65,-0.65) (0.65,0.65) (0.65,-0.65)
  rrect 0.825x0.25 smd: 1(-1.938,1.25) 2(-1.938,0.75) 3(-1.938,0.25) 4(-1.938,-0.25) 5(-1.938,-0.75) 6(-1.938,-1.25) 13(1.938,-1.25) 14(1.938,-0.75) 15(1.938,-0.25) 16(1.938,0.25) 17(1.938,0.75) 18(1.938,1.25)
  rrect 0.25x0.825 smd: 7(-1.25,-1.938) 8(-0.75,-1.938) 9(-0.25,-1.938) 10(0.25,-1.938) 11(0.75,-1.938) 12(1.25,-1.938) 19(1.25,1.938) 20(0.75,1.938) 21(0.25,1.938) 22(-0.25,1.938) 23(-0.75,1.938) 24(-1.25,1.938)
  rect 2.6x2.6 smd: 25(0,0)
QFN-28-1EP_5x5mm_P0.5mm_EP3.35x3.35mm_ThermalVias
  custom 0.544x0.544 smd: (-1.337,1.337) (-1.337,-1.337) (1.337,1.337) (1.337,-1.337)
  custom 0.544x0.806 smd: (-1.337,0.5) (-1.337,-0.5) (1.337,0.5) (1.337,-0.5)
  custom 0.806x0.544 smd: (-0.5,1.337) (-0.5,-1.337) (0.5,1.337) (0.5,-1.337)
  rrect 0.806x0.806 smd: (-0.5,0.5) (-0.5,-0.5) (0.5,0.5) (0.5,-0.5)
  rrect 0.8x0.25 smd: 1(-2.45,1.5) 2(-2.45,1) 3(-2.45,0.5) 4(-2.45,0) 5(-2.45,-0.5) 6(-2.45,-1) 7(-2.45,-1.5) 15(2.45,-1.5) 16(2.45,-1) 17(2.45,-0.5) 18(2.45,0) 19(2.45,0.5) 20(2.45,1) 21(2.45,1.5)
  rrect 0.25x0.8 smd: 8(-1.5,-2.45) 9(-1,-2.45) 10(-0.5,-2.45) 11(0,-2.45) 12(0.5,-2.45) 13(1,-2.45) 14(1.5,-2.45) 22(1.5,2.45) 23(1,2.45) 24(0.5,2.45) 25(0,2.45) 26(-0.5,2.45) 27(-1,2.45) 28(-1.5,2.45)
  round 0.5 hole 0.2: 29(-1,1) 29(-1,0) 29(-1,-1) 29(0,1) 29(0,0) 29(0,-1) 29(1,1) 29(1,0) 29(1,-1)
  rect 2.5x2.5 smd far side: 29(0,0)
  rect 3.35x3.35 smd: 29(0,0)
